# Altium PCB Rear Power Distribution.PcbDoc (part 1 of 3) (continued)
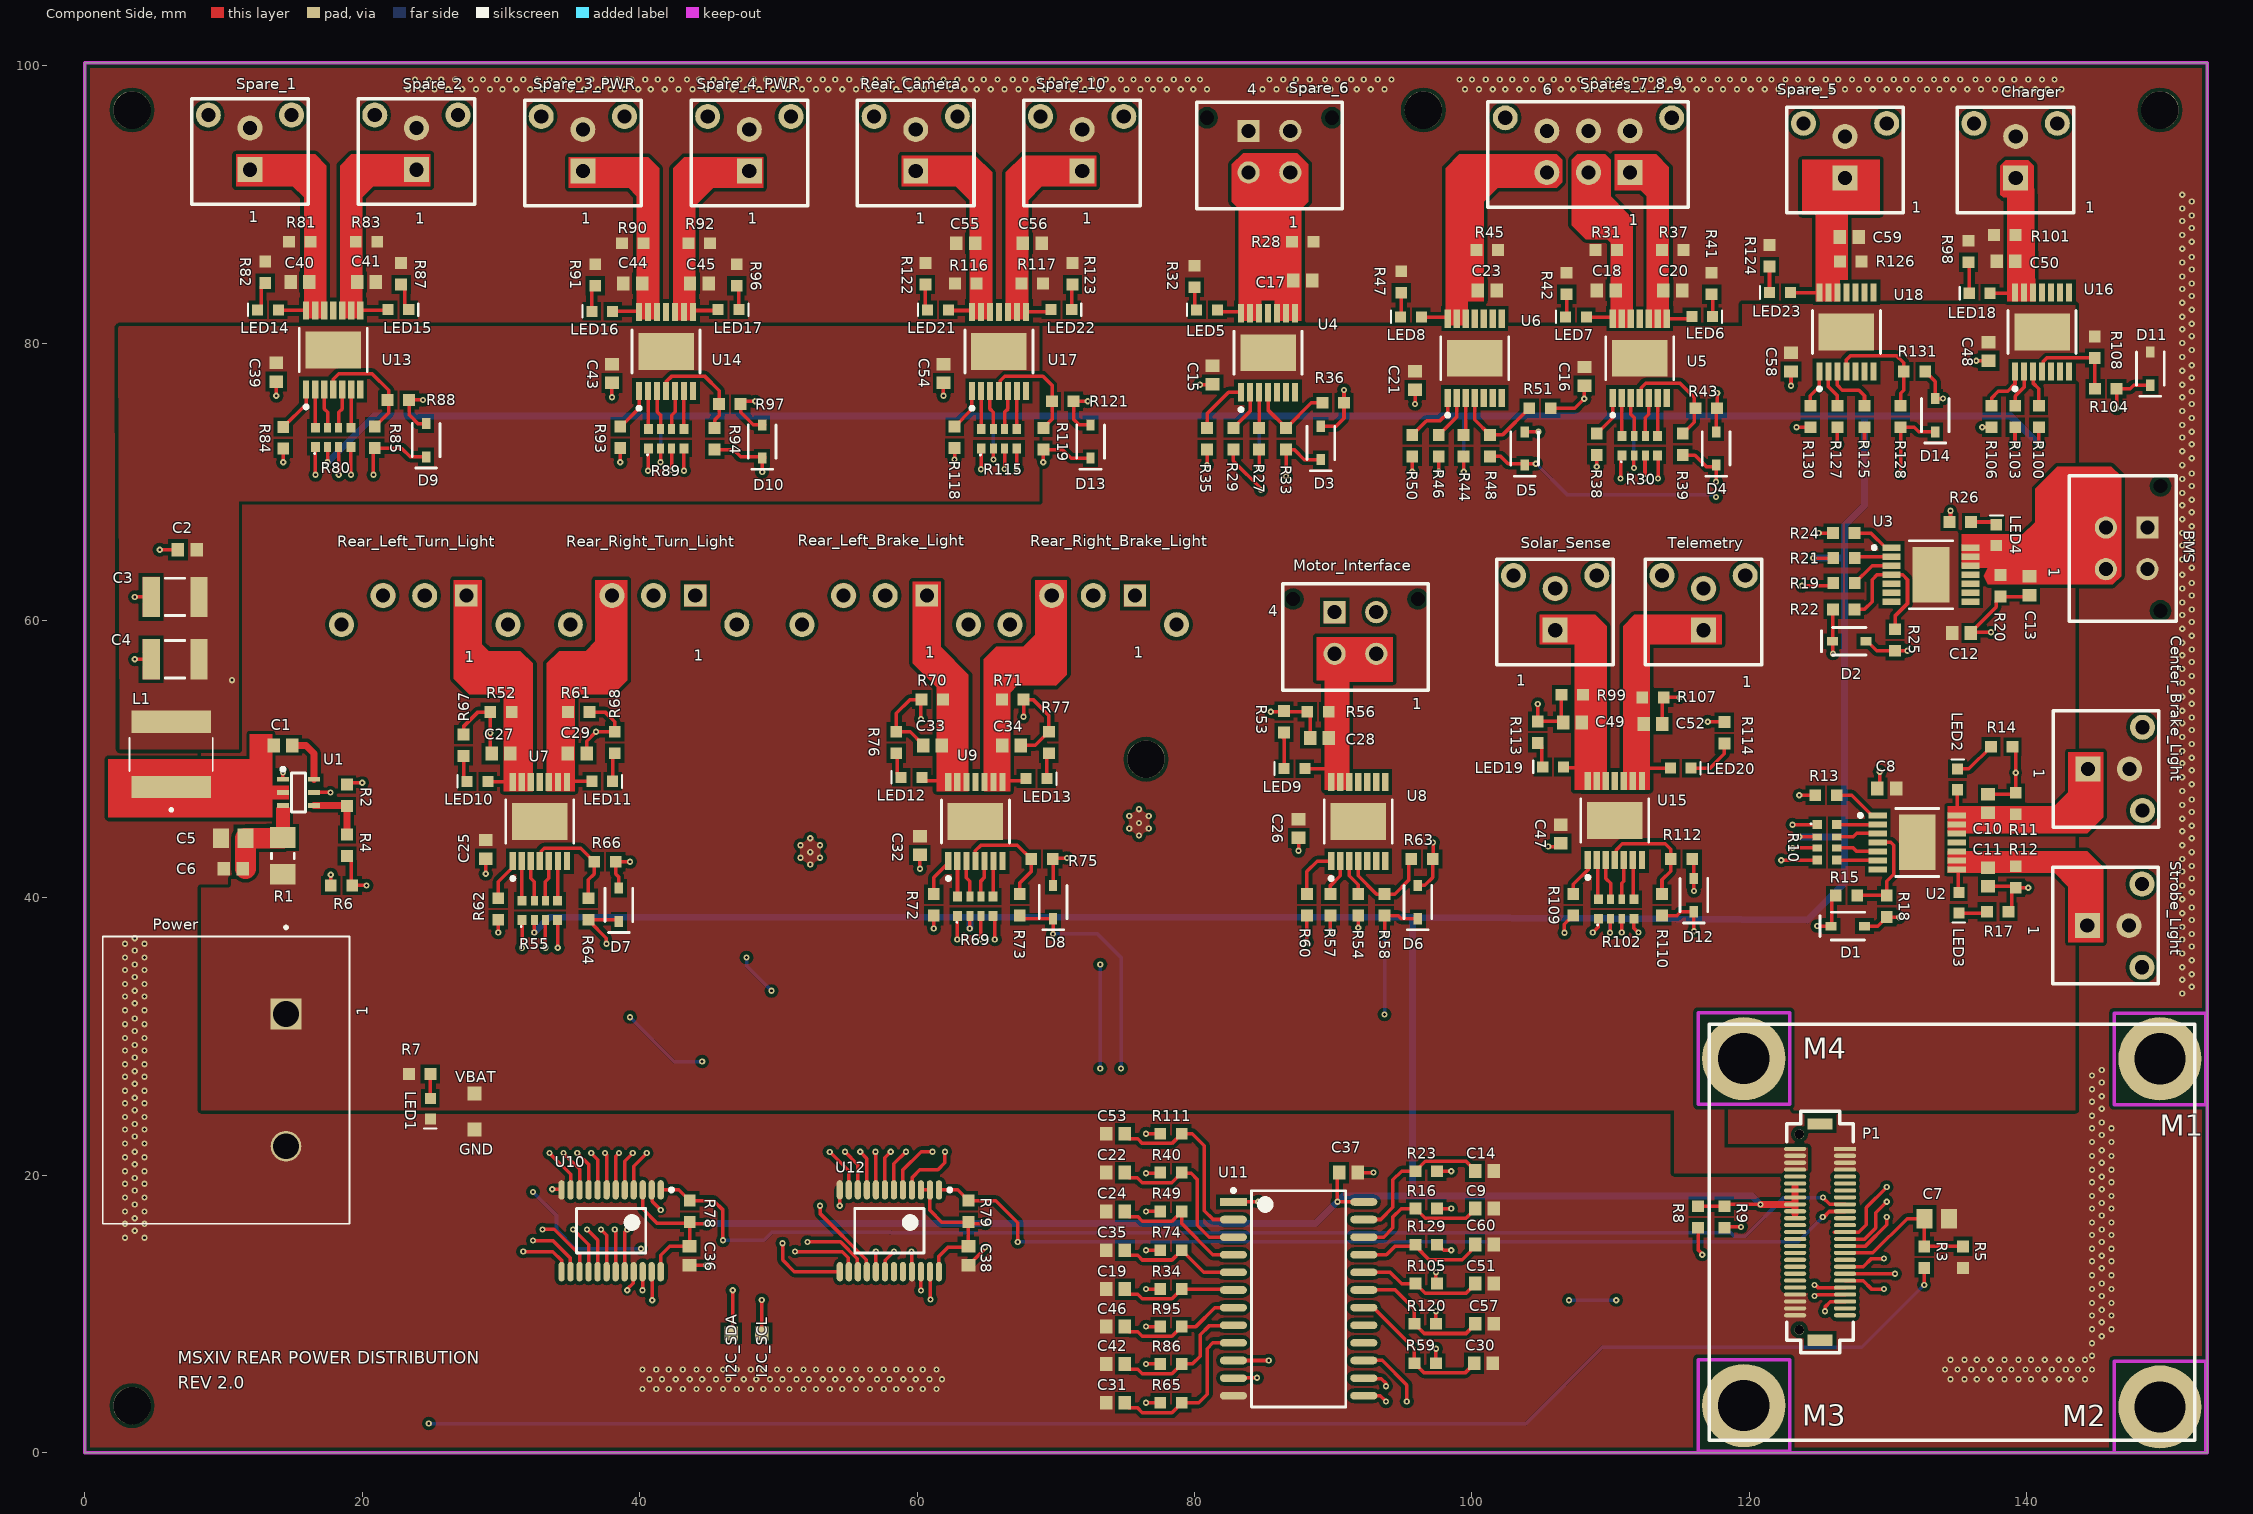
[diagram p0: Component Side view]
## Classes and differential pairs
component class "Power Distribution - Spare 5": C58 C59 C60 D14 LED23 R124 R125 R126 R127 R128 R129 R130 R131 Spare_5 U18
component class "Power Distribution - Rear camera and Spare 10": C54 C55 C56 C57 D13 LED21 LED22 R115 R116 R117 R118 R119 R120 R121 R122 R123 Rear_Camera Spare_10 U17
component class "Power Distribution - Spares 6-9": C15 C16 C17 C18 C19 C20 C21 C22 C23 C24 D3 D4 D5 LED5 LED6 LED7 LED8 R27 R28 R29 R30 R31 R32 R33 R34 R35 R36 R37 R38 R39 R40 R41 R42 R43 R44 R45 R46 R47 R48 R49 R50 R51 Spare_6 Spares_7_8_9 U4 U5 U6
component class "Power Distribution - Solar Sense, Telemetry, and BMS": C47 C48 C49 C50 C51 C52 C53 Charger D11 D12 LED18 LED19 LED20 R98 R99 R100 R101 R102 R103 R104 R105 R106 R107 R108 R109 R110 R111 R112 R113 R114 Solar_Sense Telemetry U15 U16
component class "Power Distribution - Spare 1-4": C39 C40 C41 C42 C43 C44 C45 C46 D9 D10 LED14 LED15 LED16 LED17 R80 R81 R82 R83 R84 R85 R86 R87 R88 R89 R90 R91 R92 R93 R94 R95 R96 R97 Spare_1 Spare_2 Spare_3_PWR Spare_4_PWR U13 U14
component class "Power Distribution - IO Expander": C36 C37 C38 R78 R79 U10 U11 U12
component class "Power Distribution - Charger and Rear Camera": BMS C8 C9 C10 C11 C12 C13 C14 Center_Brake_Light D1 D2 LED2 LED3 LED4 R10 R11 R12 R13 R14 R15 R16 R17 R18 R19 R20 R21 R22 R23 R24 R25 R26 Strobe_Light U2 U3
component class "Power Distribution - Rear turn and brake light, and Motor Interface": C25 C26 C27 C28 C29 C30 C31 C32 C33 C34 C35 D6 D7 D8 LED9 LED10 LED11 LED12 LED13 Motor_Interface R52 R53 R54 R55 R56 R57 R58 R59 R60 R61 R62 R63 R64 R65 R66 R67 R68 R69 R70 R71 R72 R73 R74 R75 R76 R77 Rear_Left_Brake_Light Rear_Left_Turn_Light Rear_Right_Brake_Light Rear_Right_Turn_Light U7 U8 U9
component class Controller_Board_Interface: C1 C2 C3 C4 C5 C6 C7 GND I2C_SCL I2C_SDA L1 LED1 M1 M2 M3 M4 P1 Power R1 R2 R3 R4 R5 R6 R7 R8 R9 U1 VBAT

## Components (designator, comment, footprint, x,y, rotation, side; value= is the part's Value field where it differs from the comment)
BMS "CONN 4POS MICRO-FIT 3mm" "CONN 4POS MICROFIT (2x2)" 145.7,63.7 r270 top
C1 "CAP CER 0.1UF 50V 10% X7R 0603" "CAP, 0603" 14.275,51 r180 top
C2 "CAP CER 0.1UF 50V 10% X7R 0603" "CAP, 0603" 7.375,65.1 r180 top
C3 "CAP CER 22UF 16V ±20% X5R 1210" "CAP, 1210" 6.5,61.7 r180 top
C4 "CAP CER 22UF 16V ±20% X5R 1210" "CAP, 1210" 6.5,57.2 r180 top
C5 "CAP CER 22UF 35V X5R 0805" "CAP, 0805" 10.7,44.304 r180 top
C6 "CAP CER 0.1UF 50V 10% X7R 0603" "CAP, 0603" 10.7,42.1 r180 top
C7 "CAP CER 0.1UF 100V 10% X7R 0805" "CAP, 0805" 133.5,16.871 r0 top
C8 "CAP CER 0.1UF 50V 10% X7R 0603" "CAP, 0603" 129.9,47.9 r180 top
C9 "CAP CER 220PF 50V C0G/NP0 0603" "CAP, 0603" 100.9,17.6 r0 top
C10 "CAP CER 10nF 50V 5% X7R 0603" "CAP, 0603" 137.2,46.8 r90 top
C11 "CAP CER 10nF 50V 5% X7R 0603" "CAP, 0603" 137.2,41.5 r270 top
C12 "CAP CER 0.1UF 50V 10% X7R 0603" "CAP, 0603" 135.3,59.1 r0 top
C13 "CAP CER 10nF 50V 5% X7R 0603" "CAP, 0603" 140.2,62.5 r270 top
C14 "CAP CER 220PF 50V C0G/NP0 0603" "CAP, 0603" 100.9,20.3 r0 top
C15 "CAP CER 0.1UF 50V 10% X7R 0603" "CAP, 0603" 81.3,77.7 r270 top
C16 "CAP CER 0.1UF 50V 10% X7R 0603" "CAP, 0603" 108.1,77.6 r270 top
C17 "CAP CER 10nF 50V 5% X7R 0603" "CAP, 0603" 87.8,84.5 r0 top
C18 "CAP CER 10nF 50V 5% X7R 0603" "CAP, 0603" 109.675,83.8 r180 top
C19 "CAP CER 220PF 50V C0G/NP0 0603" "CAP, 0603" 74.3,11.8 r180 top
C20 "CAP CER 10nF 50V 5% X7R 0603" "CAP, 0603" 114.475,83.8 r0 top
C21 "CAP CER 0.1UF 50V 10% X7R 0603" "CAP, 0603" 95.9,77.3 r270 top
C22 "CAP CER 220PF 50V C0G/NP0 0603" "CAP, 0603" 74.3,20.2 r180 top
C23 "CAP CER 10nF 50V 5% X7R 0603" "CAP, 0603" 101.1,83.8 r0 top
C24 "CAP CER 220PF 50V C0G/NP0 0603" "CAP, 0603" 74.3,17.4 r180 top
C25 "CAP CER 0.1UF 50V 10% X7R 0603" "CAP, 0603" 28.9,43.5 r270 top
C26 "CAP CER 0.1UF 50V 10% X7R 0603" "CAP, 0603" 87.5,45 r270 top
C27 "CAP CER 10nF 50V 5% X7R 0603" "CAP, 0603" 30,50.4 r180 top
C28 "CAP CER 10nF 50V 5% X7R 0603" "CAP, 0603" 89,51.527 r180 top
C29 "CAP CER 10nF 50V 5% X7R 0603" "CAP, 0603" 35.5,50.4 r0 top
C30 "CAP CER 220PF 50V C0G/NP0 0603" "CAP, 0603" 100.829,6.455 r0 top
C31 "CAP CER 220PF 50V C0G/NP0 0603" "CAP, 0603" 74.3,3.6 r180 top
C32 "CAP CER 0.1UF 50V 10% X7R 0603" "CAP, 0603" 60.2,43.775 r270 top
C33 "CAP CER 10nF 50V 5% X7R 0603" "CAP, 0603" 61.1,51 r180 top
C34 "CAP CER 10nF 50V 5% X7R 0603" "CAP, 0603" 66.8,51 r0 top
C35 "CAP CER 220PF 50V C0G/NP0 0603" "CAP, 0603" 74.3,14.6 r180 top
C36 "CAP CER 0.1UF 50V 10% X7R 0603" "CAP, 0603" 43.6,14.2 r270 top
C37 "CAP CER 0.1UF 50V 10% X7R 0603" "CAP, 0603" 91.1,20.2 r0 top
C38 "CAP CER 0.1UF 50V 10% X7R 0603" "CAP, 0603" 63.7,14.2 r270 top
C39 "CAP CER 0.1UF 50V 10% X7R 0603" "CAP, 0603" 13.8,77.9 r270 top
C40 "CAP CER 10nF 50V 5% X7R 0603" "CAP, 0603" 15.5,84.4 r180 top
C41 "CAP CER 10nF 50V 5% X7R 0603" "CAP, 0603" 20.3,84.4 r0 top
C42 "CAP CER 220PF 50V C0G/NP0 0603" "CAP, 0603" 74.3,6.4 r180 top
C43 "CAP CER 0.1UF 50V 10% X7R 0603" "CAP, 0603" 38,77.8 r270 top
C44 "CAP CER 10nF 50V 5% X7R 0603" "CAP, 0603" 39.5,84.3 r180 top
C45 "CAP CER 10nF 50V 5% X7R 0603" "CAP, 0603" 44.3,84.3 r0 top
C46 "CAP CER 220PF 50V C0G/NP0 0603" "CAP, 0603" 74.3,9.1 r180 top
C47 "CAP CER 0.1UF 50V 10% X7R 0603" "CAP, 0603" 106.4,44.6 r270 top
C48 "CAP CER 0.1UF 50V 10% X7R 0603" "CAP, 0603" 137.25,79.4 r270 top
C49 "CAP CER 10nF 50V 5% X7R 0603" "CAP, 0603" 107.25,52.65 r180 top
C50 "CAP CER 10nF 50V 5% X7R 0603" "CAP, 0603" 138.5,85.9 r180 top
C51 "CAP CER 220PF 50V C0G/NP0 0603" "CAP, 0603" 100.9,12.2 r0 top
C52 "CAP CER 10nF 50V 5% X7R 0603" "CAP, 0603" 113.05,52.55 r0 top
C53 "CAP CER 220PF 50V C0G/NP0 0603" "CAP, 0603" 74.3,23 r180 top
C54 "CAP CER 0.1UF 50V 10% X7R 0603" "CAP, 0603" 61.9,77.8 r270 top
C55 "CAP CER 10nF 50V 5% X7R 0603" "CAP, 0603" 63.5,87.2 r180 top
C56 "CAP CER 10nF 50V 5% X7R 0603" "CAP, 0603" 68.3,87.2 r0 top
C57 "CAP CER 220PF 50V C0G/NP0 0603" "CAP, 0603" 100.9,9.3 r0 top
C58 "CAP CER 0.1UF 50V 10% X7R 0603" "CAP, 0603" 123,78.625 r270 top
C59 "CAP CER 10nF 50V 5% X7R 0603" "CAP, 0603" 127.2,87.644 r0 top
C60 "CAP CER 220PF 50V C0G/NP0 0603" "CAP, 0603" 100.9,15 r0 top
Center_Brake_Light "CONN 2POS MICRO-FIT 3mm" "CONN, 2POS MICRO-FIT" 144.4,49.3 r270 top
Charger "CONN 2POS MICRO-FIT 3mm" "CONN, 2POS MICRO-FIT" 139.2,91.9 r0 top
D1 "DIODE ZENER 3.3V 200MW SOD323" sod-323 127.096,37.968 r180 top
D2 "DIODE ZENER 3.3V 200MW SOD323" sod-323 127.2,58.504 r180 top
D3 "DIODE ZENER 3.3V 200MW SOD323" sod-323 89.1,72.8 r270 top
D4 "DIODE ZENER 3.3V 200MW SOD323" sod-323 117.6,72.4 r270 top
D5 "DIODE ZENER 3.3V 200MW SOD323" sod-323 103.8,72.4 r270 top
D6 "DIODE ZENER 3.3V 200MW SOD323" sod-323 96.1,39.7 r270 top
D7 "DIODE ZENER 3.3V 200MW SOD323" sod-323 38.5,39.5 r270 top
D8 "DIODE ZENER 3.3V 200MW SOD323" sod-323 69.8,39.7 r270 top
D9 "DIODE ZENER 3.3V 200MW SOD323" sod-323 24.6,73 r270 top
D10 "DIODE ZENER 3.3V 200MW SOD323" sod-323 48.827,72.9 r270 top
D11 "DIODE ZENER 3.3V 200MW SOD323" sod-323 148.91,78.162 r270 top
D12 "DIODE ZENER 3.3V 200MW SOD323" sod-323 116,40.2 r270 top
D13 "DIODE ZENER 3.3V 200MW SOD323" sod-323 72.5,72.9 r270 top
D14 "DIODE ZENER 3.3V 200MW SOD323" sod-323 133.4,74.8 r270 top
GND "Test Point" "Test Point"#1 28.1,23.3 r90 top
I2C_SCL "Test Point" "Test Point"#1 48.8,8.6 r180 top
I2C_SDA "Test Point" "Test Point"#2 46.6,8.634 r180 top
L1 "FIXED IND 3.3UH 6.5A 25.2 MOHM" IND_1264EY-3R3N=P3 6.225,50.35 r90 top
LED1 "LED GREEN CLEAR 2V 0603" LED_0603 24.9,25.5 r270 top
LED2 "LED YELLOW CLEAR 2.1V 0603" LED_0603 135.01,47.85 r90 top
LED3 "LED YELLOW CLEAR 2.1V 0603" LED_0603 135.09,40.35 r270 top
LED4 "LED YELLOW CLEAR 2.1V 0603" LED_0603 137.81,65.45 r90 top
LED5 "LED YELLOW CLEAR 2.1V 0603" LED_0603 81.6,82.4 r180 top
LED6 "LED YELLOW CLEAR 2.1V 0603" LED_0603 115.9,81.9 r0 top
LED7 "LED YELLOW CLEAR 2.1V 0603" LED_0603 108.2,81.9 r180 top
LED8 "LED YELLOW CLEAR 2.1V 0603" LED_0603 96.3,81.9 r180 top
LED9 "LED YELLOW CLEAR 2.1V 0603" LED_0603 87.9,49.327 r180 top
LED10 "LED YELLOW CLEAR 2.1V 0603" LED_0603 29,48.4 r180 top
LED11 "LED YELLOW CLEAR 2.1V 0603" LED_0603 36.6,48.4 r0 top
LED12 "LED YELLOW CLEAR 2.1V 0603" LED_0603 60.3,48.7 r180 top
LED13 "LED YELLOW CLEAR 2.1V 0603" LED_0603 67.9,48.6 r0 top
LED14 "LED YELLOW CLEAR 2.1V 0603" LED_0603 13.9,82.4 r180 top
LED15 "LED YELLOW CLEAR 2.1V 0603" LED_0603 21.9,82.4 r0 top
LED16 "LED YELLOW CLEAR 2.1V 0603" LED_0603 38,82.3 r180 top
LED17 "LED YELLOW CLEAR 2.1V 0603" LED_0603 45.7,82.4 r0 top
LED18 "LED YELLOW CLEAR 2.1V 0603" LED_0603 137.3,83.6 r180 top
LED19 "LED YELLOW CLEAR 2.1V 0603" LED_0603 106.55,49.45 r180 top
LED20 "LED YELLOW CLEAR 2.1V 0603" LED_0603 114.35,49.35 r0 top
LED21 "LED YELLOW CLEAR 2.1V 0603" LED_0603 62.2,82.4 r180 top
LED22 "LED YELLOW CLEAR 2.1V 0603" LED_0603 69.7,82.4 r0 top
LED23 "LED YELLOW CLEAR 2.1V 0603" LED_0603 122.9,83.65 r180 top
M1 "STANDOFF RND M2.5X0.45 STEEL 5MM" "M2.5 Standoff" 149.6,28.4 r0 top
M2 "STANDOFF RND M2.5X0.45 STEEL 5MM" "M2.5 Standoff" 149.6,3.3 r0 top
M3 "STANDOFF RND M2.5X0.45 STEEL 5MM" "M2.5 Standoff" 119.6,3.4 r0 top
M4 "STANDOFF RND M2.5X0.45 STEEL 5MM" "M2.5 Standoff" 119.6,28.417 r0 top
Motor_Interface "CONN 4POS MICRO-FIT 3mm" "CONN 4POS MICROFIT (2x2)" 93.1,57.6 r0 top
P1 "CONN 50POS Bergstak Plug 0.02\"" "CONN, Bergstak 50 Pos Plug" 125.1,15.908 r0 top
Power "CONN BARRIER STRIP 2CIRC 0.375\"" 6PCV-02-006 14.5,31.63 r270 top
R1 "RES 0.006 OHM 1% 1W 1206" "RES 1206" 14.275,43.025 r90 top
R2 "RES 54.9K OHM 1% 1/10W 0603" "RES, 0603" 18.9,47.4 r270 top
R3 "RES 100K OHM 5% 1/8W 0603" "RES, 0603" 132.6,14.1 r90 top
R4 "RES 10K OHM 1% 1/10W 0603" "RES, 0603" 18.9,43.8 r270 top
R5 "RES 10K OHM 1% 1/10W 0603" "RES, 0603" 135.4,14.1 r270 top
R6 "RES 10K OHM 1% 1/10W 0603" "RES, 0603" 18.5,40.9 r0 top
R7 "RES 4.7K OHM 1% 1/10W 0603" "RES, 0603" 24.135,27.3 r0 top
R8 "RES 4.7K OHM 1% 1/10W 0603" "RES, 0603" 116.3,17 r270 top
R9 "RES 4.7K OHM 1% 1/10W 0603" "RES, 0603" 118.2,17 r270 top
R10 "RES ARRAY 4 RES 4.7K OHM 1206" "RES ARRAY 4RES 1206" 125.6,44 r0 top
R11 "RES 47K OHM 1% 1/10W 0603" "RES, 0603" 139.2,46.8 r90 top
R12 "RES 47K OHM 1% 1/10W 0603" "RES, 0603" 139.2,41.5 r270 top
R13 "RES SMD 47 OHM 1% 1/10W 0603" "RES, 0603" 125.525,47.4 r180 top
R14 "RES 10K OHM 1% 1/10W 0603" "RES, 0603" 138.2,50.9 r0 top
R15 "RES 4.7K OHM 1% 1/10W 0603" "RES, 0603" 127,40.175 r0 top
R16 "RES 4.7K OHM 1% 1/10W 0603" "RES, 0603" 96.7,17.6 r0 top
R17 "RES 10K OHM 1% 1/10W 0603" "RES, 0603" 137.9,39 r0 top
R18 "RES 1.6K OHM 1% 1/10W 0603" "RES, 0603" 129.9,39.4 r270 top
R19 "RES 4.7K OHM 1% 1/10W 0603" "RES, 0603" 126.825,62.7 r0 top
R20 "RES 47K OHM 1% 1/10W 0603" "RES, 0603" 138.1,62.5 r270 top
R21 "RES 4.7K OHM 1% 1/10W 0603" "RES, 0603" 126.825,64.5 r0 top
R22 "RES 4.7K OHM 1% 1/10W 0603" "RES, 0603" 126.8,60.8 r0 top
R23 "RES 4.7K OHM 1% 1/10W 0603" "RES, 0603" 96.7,20.3 r0 top
R24 "RES SMD 47 OHM 1% 1/10W 0603" "RES, 0603" 126.8,66.3 r180 top
R25 "RES 1.21K OHM 1% 1/10W 0603" "RES, 0603" 130.5,58.6 r270 top
R26 "RES 10K OHM 1% 1/10W 0603" "RES, 0603" 135.2,67.1 r180 top
R27 "RES 4.7K OHM 1% 1/10W 0603" "RES, 0603" 84.65,73.1 r90 top
R28 "RES 47K OHM 1% 1/10W 0603" "RES, 0603" 87.8,87.3 r0 top
R29 "RES 4.7K OHM 1% 1/10W 0603" "RES, 0603" 82.8,73.1 r90 top
R30 "RES ARRAY 4 RES 4.7K OHM 1206" "RES ARRAY 4RES 1206" 112.1,72.6 r90 top
R31 "RES 47K OHM 1% 1/10W 0603" "RES, 0603" 109.675,86.7 r180 top
R32 "RES 10K OHM 1% 1/10W 0603" "RES, 0603" 80,84.8 r90 top
R33 "RES 4.7K OHM 1% 1/10W 0603" "RES, 0603" 86.6,73.1 r90 top
R34 "RES 4.7K OHM 1% 1/10W 0603" "RES, 0603" 78.3,11.8 r180 top
R35 "RES SMD 47 OHM 1% 1/10W 0603" "RES, 0603" 80.9,73.1 r270 top
R36 "RES 1.21K OHM 1% 1/10W 0603" "RES, 0603" 90,75.7 r0 top
R37 "RES 47K OHM 1% 1/10W 0603" "RES, 0603" 114.475,86.7 r0 top
R38 "RES SMD 47 OHM 1% 1/10W 0603" "RES, 0603" 109,72.7 r270 top
R39 "RES 4.7K OHM 1% 1/10W 0603" "RES, 0603" 115.2,72.7 r90 top
R40 "RES 4.7K OHM 1% 1/10W 0603" "RES, 0603" 78.3,20.2 r180 top
R41 "RES 10K OHM 1% 1/10W 0603" "RES, 0603" 117.275,84.3 r90 top
R42 "RES 10K OHM 1% 1/10W 0603" "RES, 0603" 106.825,84.3 r90 top
R43 "RES 1.6K OHM 1% 1/10W 0603" "RES, 0603" 116.9,75.3 r0 top
R44 "RES 4.7K OHM 1% 1/10W 0603" "RES, 0603" 99.4,72.6 r90 top
R45 "RES 47K OHM 1% 1/10W 0603" "RES, 0603" 101.1,86.7 r0 top
R46 "RES 4.7K OHM 1% 1/10W 0603" "RES, 0603" 97.6,72.6 r90 top
R47 "RES 10K OHM 1% 1/10W 0603" "RES, 0603" 94.9,84.4 r90 top
R48 "RES 4.7K OHM 1% 1/10W 0603" "RES, 0603" 101.3,72.6 r90 top
R49 "RES 4.7K OHM 1% 1/10W 0603" "RES, 0603" 78.3,17.4 r180 top
R50 "RES SMD 47 OHM 1% 1/10W 0603" "RES, 0603" 95.7,72.6 r270 top
R51 "RES 1.21K OHM 1% 1/10W 0603" "RES, 0603" 104.9,75.3 r0 top
R52 "RES 47K OHM 1% 1/10W 0603" "RES, 0603" 30,53.4 r180 top
R53 "RES 10K OHM 1% 1/10W 0603" "RES, 0603" 86.45,52.7 r90 top
R54 "RES 4.7K OHM 1% 1/10W 0603" "RES, 0603" 91.8,39.5 r90 top
R55 "RES ARRAY 4 RES 4.7K OHM 1206" "RES ARRAY 4RES 1206" 32.8,39.1 r90 top
R56 "RES 47K OHM 1% 1/10W 0603" "RES, 0603" 88.904,53.427 r180 top
R57 "RES 4.7K OHM 1% 1/10W 0603" "RES, 0603" 89.8,39.5 r90 top
R58 "RES 4.7K OHM 1% 1/10W 0603" "RES, 0603" 93.7,39.5 r90 top
R59 "RES 4.7K OHM 1% 1/10W 0603" "RES, 0603" 96.629,6.455 r0 top
R60 "RES SMD 47 OHM 1% 1/10W 0603" "RES, 0603" 88.1,39.5 r270 top
R61 "RES 47K OHM 1% 1/10W 0603" "RES, 0603" 35.6,53.4 r0 top
R62 "RES SMD 47 OHM 1% 1/10W 0603" "RES, 0603" 29.8,39.2 r270 top
R63 "RES 1.21K OHM 1% 1/10W 0603" "RES, 0603" 96.4,42.8 r0 top
R64 "RES 4.7K OHM 1% 1/10W 0603" "RES, 0603" 36.3,39.2 r90 top
R65 "RES 4.7K OHM 1% 1/10W 0603" "RES, 0603" 78.3,3.6 r180 top
R66 "RES 1.6K OHM 1% 1/10W 0603" "RES, 0603" 37.5,42.6 r0 top
R67 "RES 10K OHM 1% 1/10W 0603" "RES, 0603" 27.3,51 r90 top
R68 "RES 10K OHM 1% 1/10W 0603" "RES, 0603" 38.2,51.2 r90 top
R69 "RES ARRAY 4 RES 4.7K OHM 1206" "RES ARRAY 4RES 1206" 64.2,39.4 r90 top
R70 "RES 47K OHM 1% 1/10W 0603" "RES, 0603" 61.1,54.3 r180 top
R71 "RES 47K OHM 1% 1/10W 0603" "RES, 0603" 66.9,54.3 r0 top
R72 "RES SMD 47 OHM 1% 1/10W 0603" "RES, 0603" 61.2,39.5 r270 top
R73 "RES 4.7K OHM 1% 1/10W 0603" "RES, 0603" 67.4,39.5 r90 top
R74 "RES 4.7K OHM 1% 1/10W 0603" "RES, 0603" 78.3,14.6 r180 top
R75 "RES 1.6K OHM 1% 1/10W 0603" "RES, 0603" 69,42.8 r0 top
R76 "RES 10K OHM 1% 1/10W 0603" "RES, 0603" 58.5,51.2 r90 top
R77 "RES 10K OHM 1% 1/10W 0603" "RES, 0603" 69.5,51.2 r90 top
R78 "RES 4.7K OHM 1% 1/10W 0603" "RES, 0603" 43.6,17.4 r90 top
R79 "RES 4.7K OHM 1% 1/10W 0603" "RES, 0603" 63.7,17.4 r90 top
R80 "RES ARRAY 4 RES 4.7K OHM 1206" "RES ARRAY 4RES 1206" 17.9,73.2 r90 top
R81 "RES 47K OHM 1% 1/10W 0603" "RES, 0603" 15.5,87.3 r180 top
R82 "RES 10K OHM 1% 1/10W 0603" "RES, 0603" 13,85.1 r90 top
R83 "RES 47K OHM 1% 1/10W 0603" "RES, 0603" 20.3,87.3 r0 top
R84 "RES SMD 47 OHM 1% 1/10W 0603" "RES, 0603" 14.3,73.175 r270 top
R85 "RES 4.7K OHM 1% 1/10W 0603" "RES, 0603" 20.9,73.2 r90 top
R86 "RES 4.7K OHM 1% 1/10W 0603" "RES, 0603" 78.3,6.4 r180 top
R87 "RES 10K OHM 1% 1/10W 0603" "RES, 0603" 22.8,85 r90 top
R88 "RES 1.6K OHM 1% 1/10W 0603" "RES, 0603" 22.6,75.9 r0 top
R89 "RES ARRAY 4 RES 4.7K OHM 1206" "RES ARRAY 4RES 1206" 41.9,73.1 r90 top
R90 "RES 47K OHM 1% 1/10W 0603" "RES, 0603" 39.5,87.2 r180 top
R91 "RES 10K OHM 1% 1/10W 0603" "RES, 0603" 36.8,84.9 r90 top
R92 "RES 47K OHM 1% 1/10W 0603" "RES, 0603" 44.3,87.2 r0 top
R93 "RES SMD 47 OHM 1% 1/10W 0603" "RES, 0603" 38.6,73.2 r270 top
R94 "RES 4.7K OHM 1% 1/10W 0603" "RES, 0603" 45.4,73.1 r90 top
R95 "RES 4.7K OHM 1% 1/10W 0603" "RES, 0603" 78.3,9.1 r180 top
R96 "RES 10K OHM 1% 1/10W 0603" "RES, 0603" 47,84.9 r90 top
R97 "RES 1.6K OHM 1% 1/10W 0603" "RES, 0603" 46.5,75.6 r0 top
R98 "RES 10K OHM 1% 1/10W 0603" "RES, 0603" 135.8,86.6 r90 top
R99 "RES 47K OHM 1% 1/10W 0603" "RES, 0603" 107.225,54.65 r180 top
R100 "RES 4.7K OHM 1% 1/10W 0603" "RES, 0603" 140.871,74.7 r90 top
R101 "RES 47K OHM 1% 1/10W 0603" "RES, 0603" 138.4,87.8 r180 top
R102 "RES ARRAY 4 RES 4.7K OHM 1206" "RES ARRAY 4RES 1206" 110.4,39.2 r90 top
R103 "RES 4.7K OHM 1% 1/10W 0603" "RES, 0603" 139.167,74.7 r90 top
R104 "RES 4.7K OHM 1% 1/10W 0603" "RES, 0603" 145.7,76.7 r180 top
R105 "RES 4.7K OHM 1% 1/10W 0603" "RES, 0603" 96.7,12.2 r0 top
R106 "RES SMD 47 OHM 1% 1/10W 0603" "RES, 0603" 137.462,74.7 r270 top
R107 "RES 47K OHM 1% 1/10W 0603" "RES, 0603" 113.05,54.45 r0 top
R108 "RES 1.21K OHM 1% 1/10W 0603" "RES, 0603" 144.9,79.7 r90 top
R109 "RES SMD 47 OHM 1% 1/10W 0603" "RES, 0603" 107.3,39.5 r270 top
R110 "RES 4.7K OHM 1% 1/10W 0603" "RES, 0603" 113.7,39.5 r90 top
R111 "RES 4.7K OHM 1% 1/10W 0603" "RES, 0603" 78.3,23 r180 top
R112 "RES 1.6K OHM 1% 1/10W 0603" "RES, 0603" 115.1,42.8 r0 top
R113 "RES 10K OHM 1% 1/10W 0603" "RES, 0603" 104.75,51.95 r90 top
R114 "RES 10K OHM 1% 1/10W 0603" "RES, 0603" 118.2,51.9 r90 top
R115 "RES ARRAY 4 RES 4.7K OHM 1206" "RES ARRAY 4RES 1206" 65.9,73.1 r90 top
R116 "RES 47K OHM 1% 1/10W 0603" "RES, 0603" 63.5,84.3 r180 top
R117 "RES 47K OHM 1% 1/10W 0603" "RES, 0603" 68.3,84.3 r0 top
R118 "RES SMD 47 OHM 1% 1/10W 0603" "RES, 0603" 62.7,73.2 r270 top
R119 "RES 4.7K OHM 1% 1/10W 0603" "RES, 0603" 69.1,73.1 r90 top
R120 "RES 4.7K OHM 1% 1/10W 0603" "RES, 0603" 96.629,9.3 r0 top
R121 "RES 1.6K OHM 1% 1/10W 0603" "RES, 0603" 70.5,75.8 r0 top
R122 "RES 10K OHM 1% 1/10W 0603" "RES, 0603" 60.6,85 r90 top
R123 "RES 10K OHM 1% 1/10W 0603" "RES, 0603" 71.2,85 r90 top
R124 "RES 10K OHM 1% 1/10W 0603" "RES, 0603" 121.45,86.3 r90 top
R125 "RES 4.7K OHM 1% 1/10W 0603" "RES, 0603" 128.3,74.7 r90 top
R126 "RES 47K OHM 1% 1/10W 0603" "RES, 0603" 127.3,85.889 r0 top
R127 "RES 4.7K OHM 1% 1/10W 0603" "RES, 0603" 126.35,74.7 r90 top
R128 "RES 4.7K OHM 1% 1/10W 0603" "RES, 0603" 130.9,74.7 r90 top
R129 "RES 4.7K OHM 1% 1/10W 0603" "RES, 0603" 96.7,15 r0 top
R130 "RES SMD 47 OHM 1% 1/10W 0603" "RES, 0603" 124.4,74.7 r270 top
R131 "RES 1.21K OHM 1% 1/10W 0603" "RES, 0603" 131.9,77.95 r0 top
Rear_Camera "CONN 2POS MICRO-FIT 3mm" "CONN, 2POS MICRO-FIT" 59.9,92.4 r0 top
Rear_Left_Brake_Light "CONN 3POS MICROFIT" "CONN, 3 POS MICROFIT" 57.7,61.8 r270 top
Rear_Left_Turn_Light "CONN 3POS MICROFIT" "CONN, 3 POS MICROFIT" 24.5,61.8 r270 top
Rear_Right_Brake_Light "CONN 3POS MICROFIT" "CONN, 3 POS MICROFIT" 72.7,61.8 r270 top